# Allegro board com_v1_p3.brd
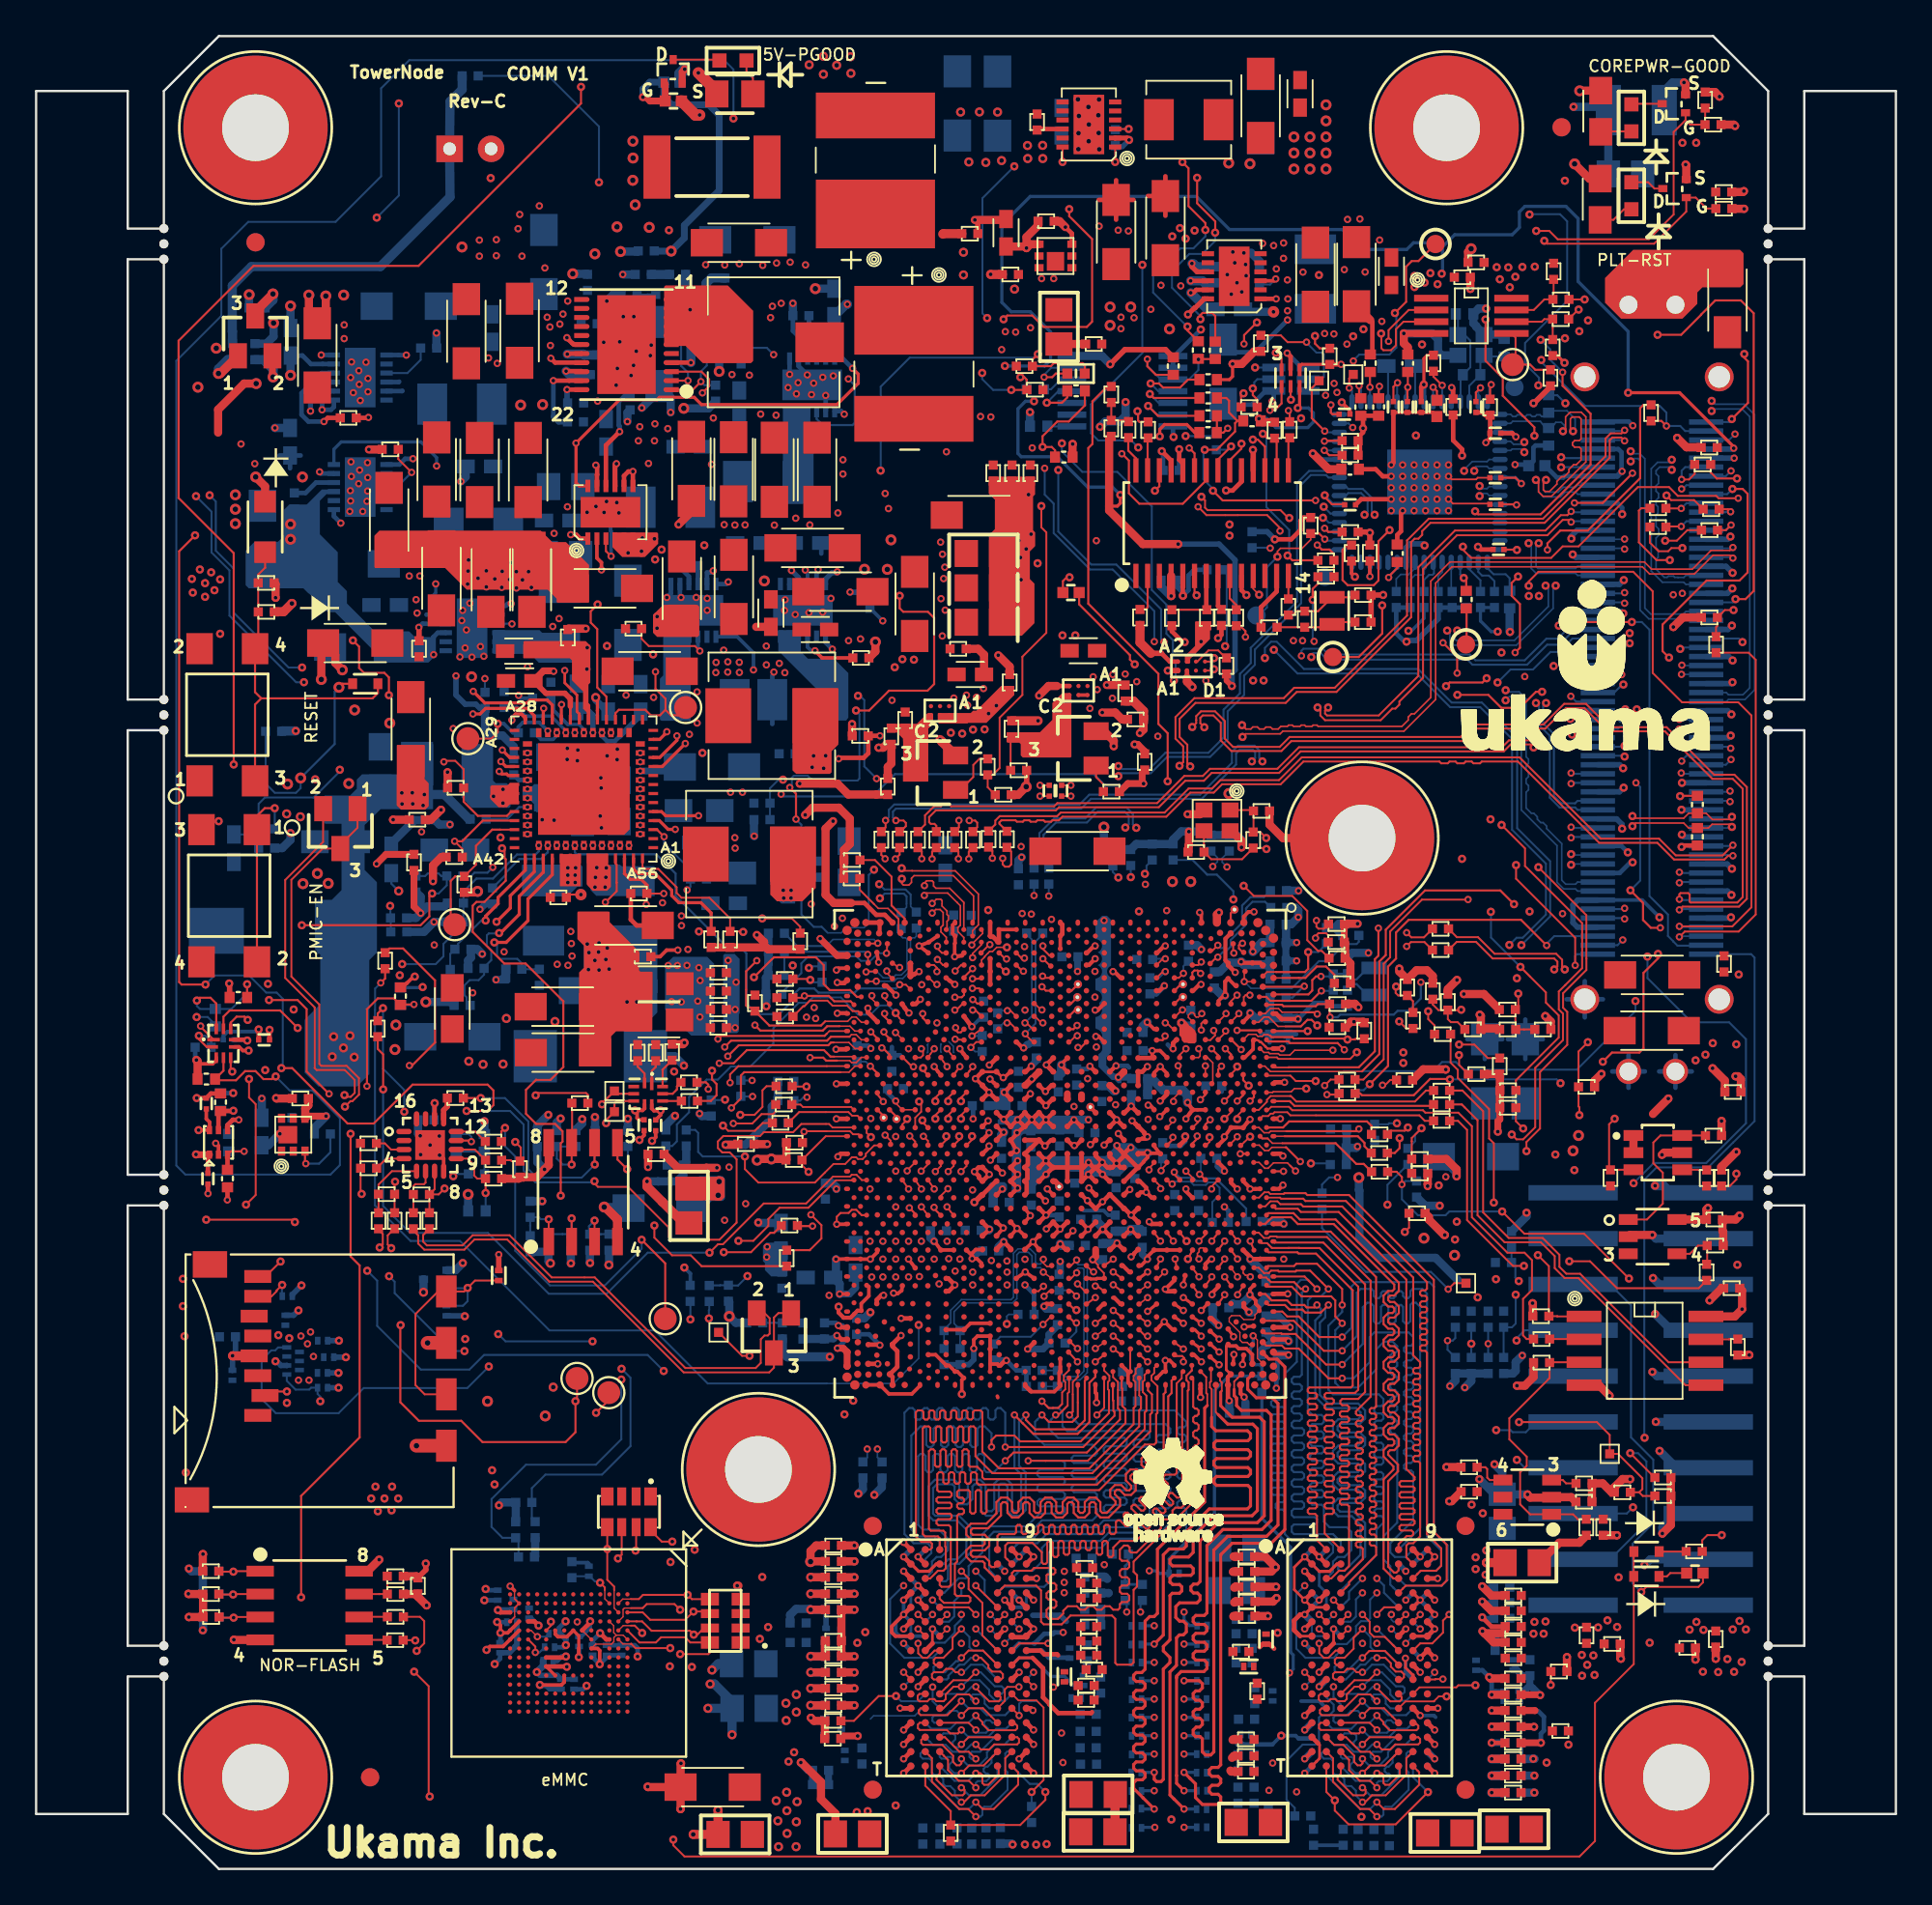
[diagram p0: board, top side]
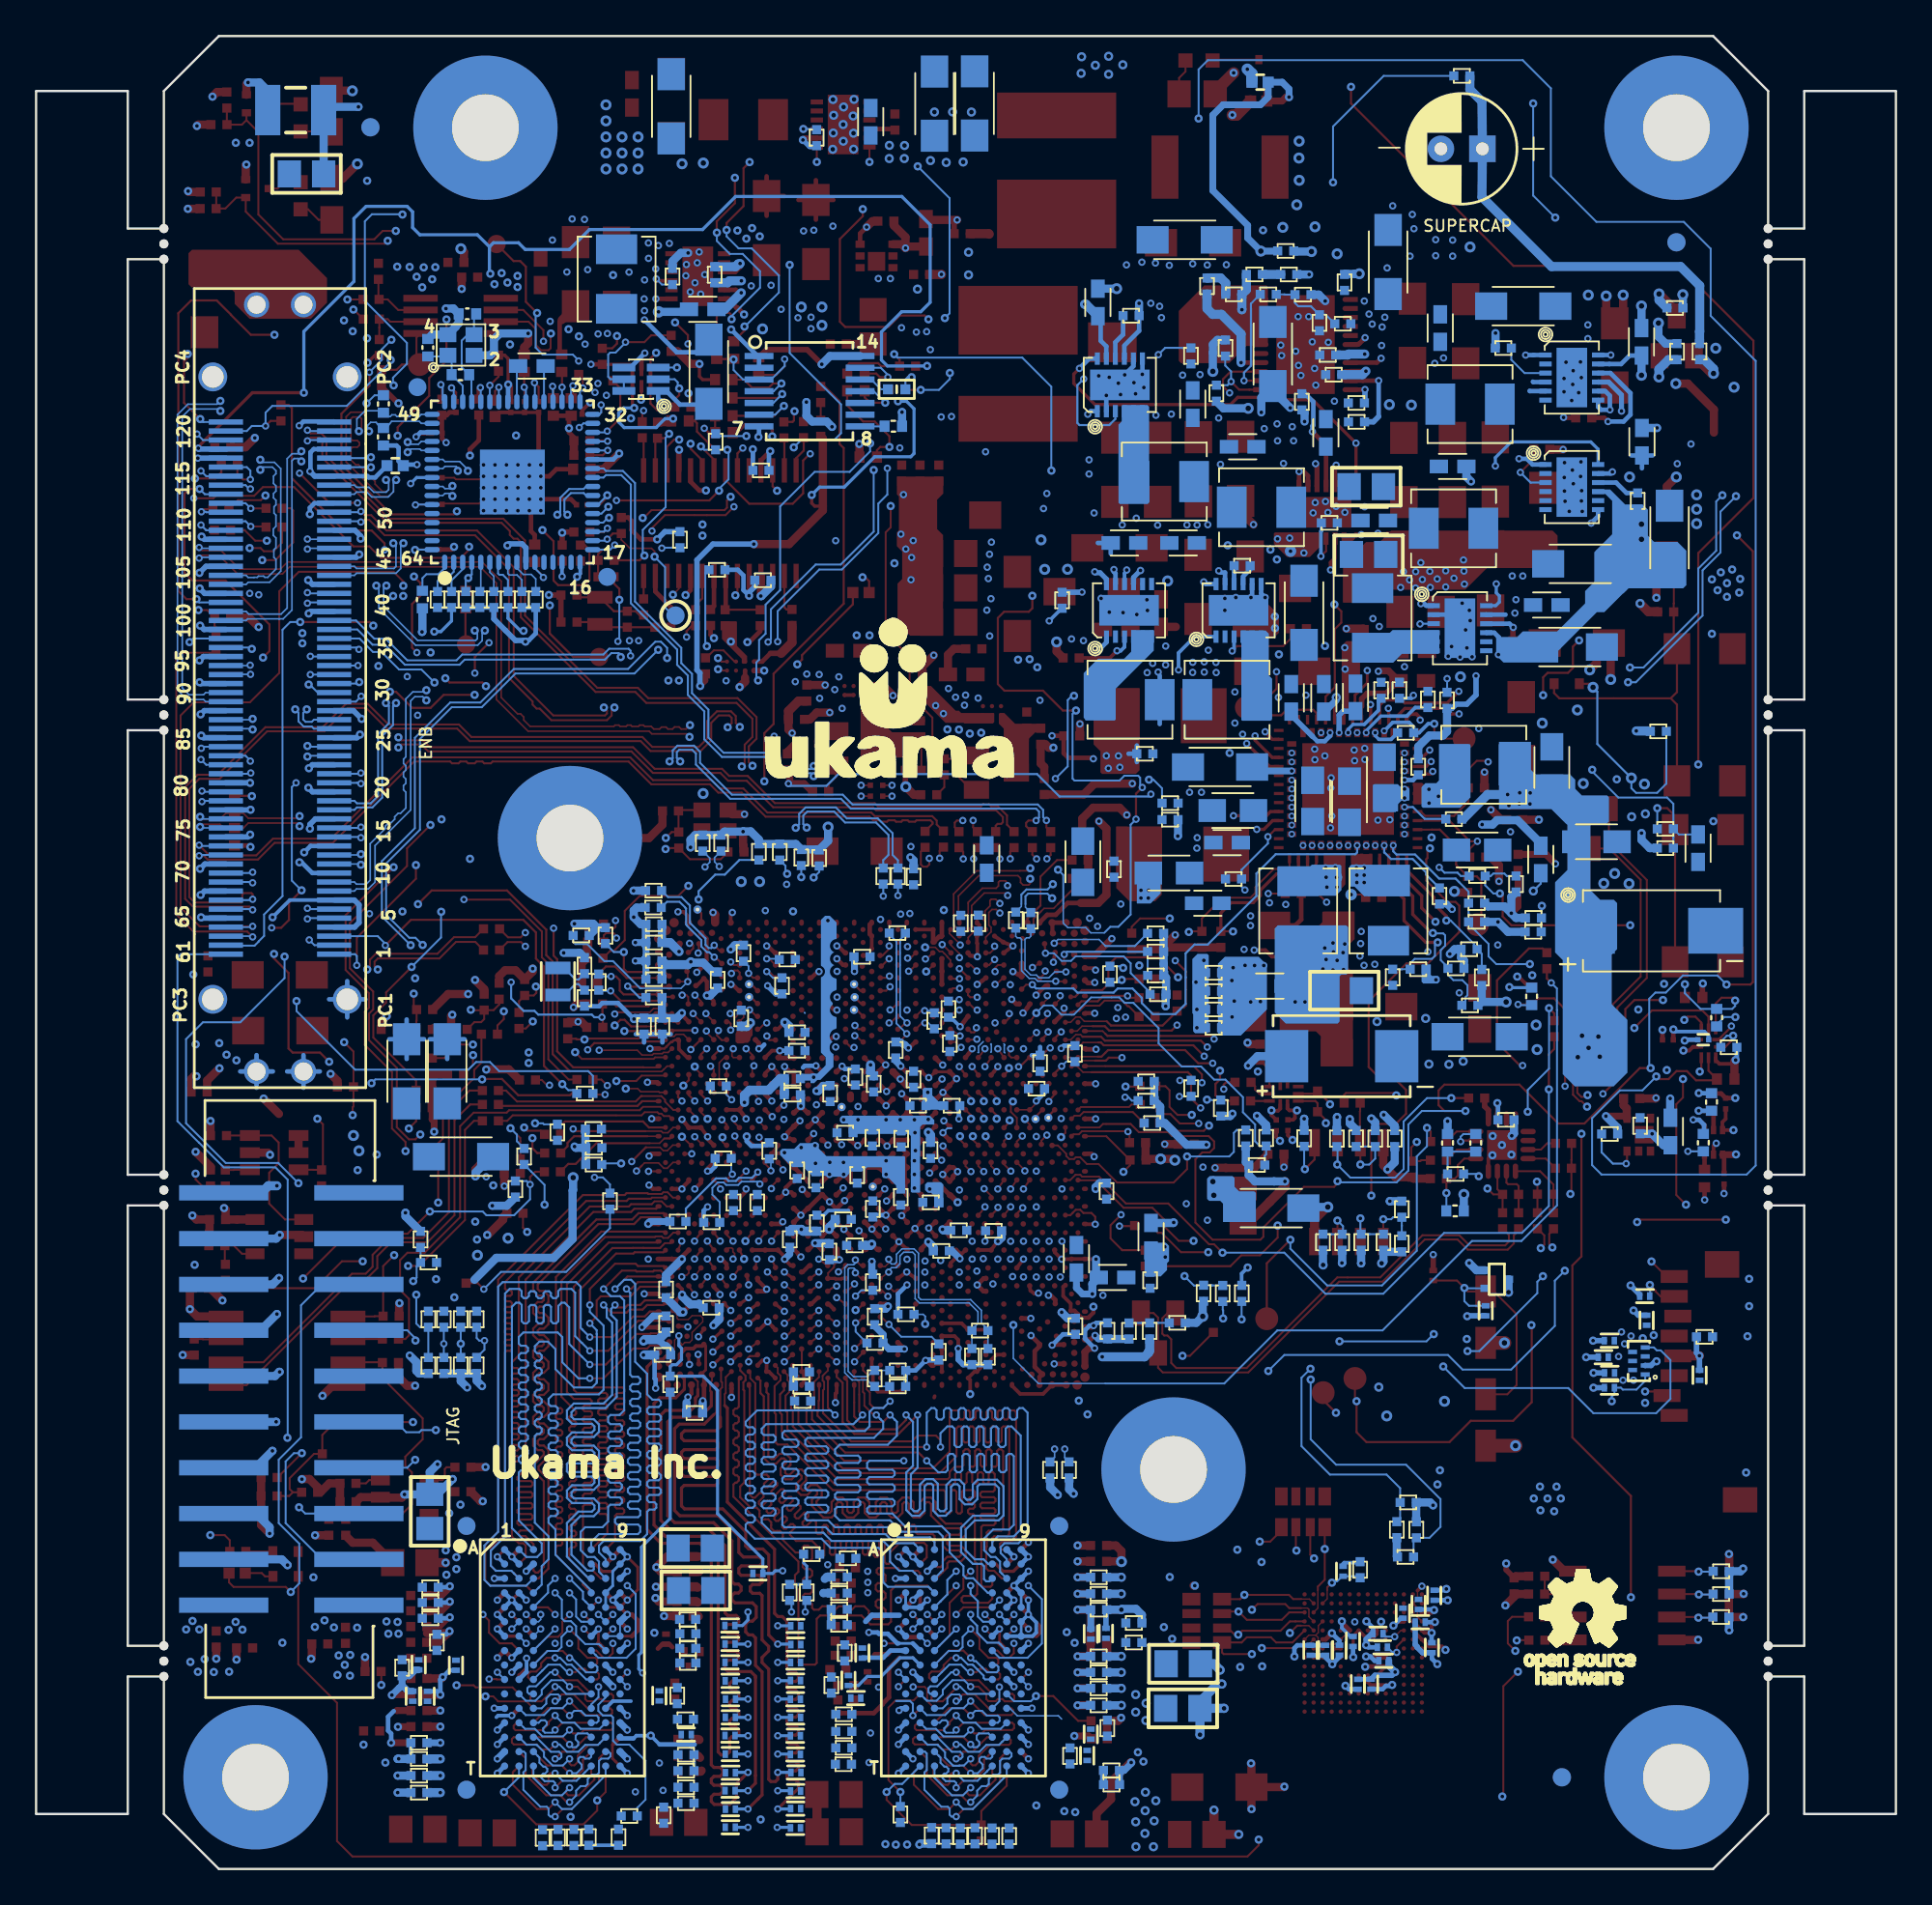
[diagram p1: board, bottom side, seen from below]

Outline 103.06 x 101.6 mm; copper layers: TOP, L2_GND1, L3_SIG1, L4_PWR1, L5_SIG2, L6_SIG3, L7_PWR2, L8_SIG4, L9_GND2, BOTTOM. Coordinates in mm from the lower left corner of the outline.
Outline path: 10.13,101.6 7.08,98.55 7.08,90.93 5.08,90.93 5.08,98.55 0,98.55 0,3.05 5.08,3.05 5.08,10.67 7.08,10.67 7.08,3.05 10.13,0 ; 10.13,101.6 92.93,101.6 ; 10.13,101.6 92.93,101.6 ; 10.13,0 92.93,0 ; 10.13,0 92.93,0 ; 92.93,0 95.98,3.05 95.98,10.67 97.98,10.67 97.98,3.05 103.06,3.05 103.06,98.55 97.98,98.55 97.98,90.93 95.98,90.93 95.98,98.55 92.93,101.6 ; 5.08,89.23 5.08,64.82 7.08,64.82 7.08,89.23 5.08,89.23 ; 5.08,63.12 5.08,38.48 7.08,38.48 7.08,63.12 5.08,63.12 ; 5.08,36.78 5.08,12.37 7.08,12.37 7.08,36.78 5.08,36.78 ; 95.98,89.23 97.98,89.23 97.98,64.82 95.98,64.82 95.98,89.23 ; 95.98,63.12 97.98,63.12 97.98,38.48 95.98,38.48 95.98,63.12 ; 95.98,36.78 97.98,36.78 97.98,12.37 95.98,12.37 95.98,36.78

## Design rules (mm)
net group DDR3_DRAM_PWROK: nets DDR3_DRAM_PWROK UNNAMED_127_IDTP9145R1P15_I1_DR
net group DDR3_MON1: nets DDR3_MON1N DDR3_MON1P
net group DDR3_MON2: nets DDR3_MON2N DDR3_MON2P
net group DDR3_REF: nets DDR3_REFN DDR3_REFP
net group DDR3_VREF: nets DDR3_VREF UNNAMED_3_RESN_I168_A
net group DDR_ADDR: nets M_A_A15 M_A_RST_N
net group DIFFPAIR0: nets PE_TN PE_TP
net group DP1: nets N20572057 N20572071
net group DP14: nets N20580018 N20580025
net group DP15: nets N27274411 N27274420
net group DP16: nets N20262523 N27274288
net group DP_HDMI_DATA0_D: nets HDMI_DATA0_DN HDMI_DATA0_DP
net group DP_HDMI_DATA1_D: nets HDMI_DATA1_DN HDMI_DATA1_DP
net group DP_HDMI_DATA2_D: nets HDMI_DATA2_DN HDMI_DATA2_DP
net group DP_USB2: nets USB_DN2 USB_DP2
net group FPGA_CFG_INIT_B_R: nets FPGA_CFG_INIT_B_R N27770387
net group FPGA_SOC_IO_4_1P8: nets FPGA_SOC_IO_4_1P8 LAN_LED0
net group FPGA_SOC_IO_5_1P8: nets FPGA_SOC_IO_5_1P8 N24949821
net group FPGA_SOC_IO_6_1P8: nets FPGA_SOC_IO_6_1P8 N24949837
net group H_HDMI_CLOCK: nets HDMI_CLK_DN HDMI_CLK_DP
net group I2C_MASTER_SEL_1P8: nets I2C_MASTER_SEL_1P8 N28074588
net group INVEN_EEPROM_WP: nets INVEN_EEPROM_WP N27319573
net group KSZ_MDI0: nets SOC_ETH_MDI0N SOC_ETH_MDI0P
net group KSZ_MDI1: nets SOC_ETH_MDI1N SOC_ETH_MDI1P
net group LAN_NC_SI_1: nets LAN_NC_SI_RXD0 LAN_NC_SI_RXD1
net group LAN_NC_SI_2: nets LAN_NC_SI_TXD0 LAN_NC_SI_TXD1
net group LAN_PCIE_CLKREQ1B: nets LAN_PCIE_CLKREQ1B N21429834
net group LAN_XTALIN: nets LAN_XTALIN LAN_XTALOUT
net group M_A_CK_DDR0: nets M_A_CK_DDR0_N M_A_CK_DDR0_P
net group MODULE_SAFEBOOT_N: nets MODULE_SAFEBOOT_N N27587553
net group N28098567: nets N28098567 N28098822
net group PCIE0_CLK: nets PCIE0_CLKN PCIE0_CLKP
net group PCIE0_RX: nets PCIE0_RXN PCIE0_RXP
net group PCIE0_TX: nets PCIE0_TXN PCIE0_TXP
net group PCIE1_CLK: nets PCIE1_CLKN PCIE1_CLKP
net group PCIE1_RX: nets PCIE1_RXN PCIE1_RXP
net group PCIE1_TXN: nets PCIE1_TXN UNNAMED_6_BYTISOCR1P1_I118_PC_2
net group PCIE1_TXP: nets PCIE1_TXP UNNAMED_6_BYTISOCR1P1_I118_PC_4
net group PCIE2_CLK: nets PCIE2_CLKN PCIE2_CLKP
net group PCIE2_RX: nets PCIE2_RXN PCIE2_RXP
net group PCIE2_TXN: nets PCIE2_TXN UNNAMED_6_BYTISOCR1P1_I118_PC_1
net group PCIE2_TXP: nets PCIE2_TXP UNNAMED_6_BYTISOCR1P1_I118_PC_3
net group PCIE3_CLK: nets PCIE3_CLKN PCIE3_CLKP
net group PCIE3_RX: nets PCIE3_RXN PCIE3_RXP
net group PCIE3_TX: nets PCIE3_TXN PCIE3_TXP
net group PCIE3_TXN: nets PCIE3_TXNC PCIE3_TXPC
net group POWER_RECYCLE_H: nets N27621807 POWER_RECYCLE_H
net group RJ45_LED_STATUS: nets N27770243 RJ45_LED_STATUS
net group SATA_RX0: nets SATA_RXN0 SATA_RXP0
net group SATA_RX1: nets SATA_RXN1 SATA_RXP1
net group SATA_TX0: nets SATA_TXN0 SATA_TXP0
net group SATA_TX1: nets SATA_TXN1 SATA_TXP1
net group SD1_CD_V: nets SD1_CD_V SOC_PCIE_CLKREQ4_B
net group SIO_SPI_CS#: nets N27493048 SIO_SPI_CS#
net group SIO_SPI_MISO: nets N27493054 SIO_SPI_MISO
net group SOC_I2C_SCL: nets SOC_I2C_SCL UNNAMED_7_BYTISOCR1P1_I121_SIOI
net group SOC_I2C_SDA: nets SOC_I2C_SDA UNNAMED_7_BYTISOCR1P1_I121_SI_1
net group SOC_SVID_ALERT_B: nets SOC_SVID_ALERT_B UNNAMED_25_BYTISOCR1P1_I90_SVID
net group SOC_SVID_CLK: nets SOC_SVID_CLK UNNAMED_25_BYTISOCR1P1_I90_SV_1
net group SOC_SVID_DATA: nets SOC_SVID_DATA UNNAMED_25_BYTISOCR1P1_I90_SV_2
net group SOC_THERMTRIP: nets N28177907 SOC_THERMTRIP
net group SUS_STAT_B: nets SUS_STAT_B SUS_STAT_B_R
net group TPM_ILB_SERIRQ: nets TPM_ILB_SERIRQ UNNAMED_81_RESN_I34_B
net group UNNAMED_5_BYTISOCR1P1_I176_DDIR: nets UNNAMED_5_BYTISOCR1P1_I176_DD_1 UNNAMED_5_BYTISOCR1P1_I176_DDIR
net group UNNAMED_5_BYTISOCR1P1_I176_RESE: nets UNNAMED_5_BYTISOCR1P1_I176_RE_1 UNNAMED_5_BYTISOCR1P1_I176_RESE
net group UNNAMED_6_BYTISOCR1P1_I118_PCIE: nets UNNAMED_6_BYTISOCR1P1_I118_PC_5 UNNAMED_6_BYTISOCR1P1_I118_PCIE
net group UNNAMED_6_BYTISOCR1P1_I118_SATA: nets UNNAMED_6_BYTISOCR1P1_I118_SA_1 UNNAMED_6_BYTISOCR1P1_I118_SATA
net group UNNAMED_25_BYTISOCR1P1_I90_ICLK: nets UNNAMED_25_BYTISOCR1P1_I90_IC_1 UNNAMED_25_BYTISOCR1P1_I90_ICLK
net group UNNAMED_25_BYTISOCR1P1_I90_IL_1: nets UNNAMED_25_BYTISOCR1P1_I90_IL_1 UNNAMED_25_BYTISOCR1P1_I90_IL_2
net group UNNAMED_119_CAPN_I37_A: nets UNNAMED_119_CAPN_I37_A UNNAMED_119_RESN_I34_B
net group USB3_P0_ICLK_D: nets USB3_P0_ICLK_DN USB3_P0_ICLK_DP
net group USB3_P1_ICLK_D: nets USB3_P1_ICLK_DN USB3_P1_ICLK_DP
net group USB3_RX0: nets USB3_RX0_N USB3_RX0_P
net group USB3_TX0: nets USB3_TX0_N USB3_TX0_P
net group USB_D0: nets USB_DN0 USB_DP0
net group USB_D1: nets USB_DN1 USB_DP1
net group USB_REFCLK: nets USB_REFCLKN USB_REFCLKP
net group V1P0S_EN: nets UNNAMED_263_NPN_I115_B V1P0S_EN
net group V1P0SX_EN: nets UNNAMED_263_NPN_I95_B V1P0SX_EN
net group WDI: nets N27521547 WDI
net group BAT_D: nets BAT_D N27610620 VBAK
net group DDR_DATA_MTG1_U24: nets M_A_DM2 M_A_DQ16 M_A_DQ17 M_A_DQ18 M_A_DQ19 M_A_DQ20 M_A_DQ21 M_A_DQ22 M_A_DQ23 M_A_DQS_N2 M_A_DQS_P2
net group DDR_DATA_MTG1_U27: nets M_A_DM0 M_A_DQ0 M_A_DQ1 M_A_DQ2 M_A_DQ3 M_A_DQ4 M_A_DQ5 M_A_DQ6 M_A_DQ7 M_A_DQS_N0 M_A_DQS_P0
net group DDR_DATA_MTG1_U30: nets M_A_DM6 M_A_DQ48 M_A_DQ49 M_A_DQ50 M_A_DQ51 M_A_DQ52 M_A_DQ53 M_A_DQ54 M_A_DQ55 M_A_DQS_N6 M_A_DQS_P6
net group DDR_DATA_MTG1_U37: nets M_A_DM4 M_A_DQ32 M_A_DQ33 M_A_DQ34 M_A_DQ35 M_A_DQ36 M_A_DQ37 M_A_DQ38 M_A_DQ39 M_A_DQS_N4 M_A_DQS_P4
net group DDR_DATA_MTG2_U24: nets M_A_DM3 M_A_DQ24 M_A_DQ25 M_A_DQ26 M_A_DQ27 M_A_DQ28 M_A_DQ29 M_A_DQ30 M_A_DQ31 M_A_DQS_N3 M_A_DQS_P3
net group DDR_DATA_MTG2_U27: nets M_A_DM1 M_A_DQ8 M_A_DQ9 M_A_DQ10 M_A_DQ11 M_A_DQ12 M_A_DQ13 M_A_DQ14 M_A_DQ15 M_A_DQS_N1 M_A_DQS_P1
net group DDR_DATA_MTG2_U30: nets M_A_DM7 M_A_DQ56 M_A_DQ57 M_A_DQ58 M_A_DQ59 M_A_DQ60 M_A_DQ61 M_A_DQ62 M_A_DQ63 M_A_DQS_N7 M_A_DQS_P7
net group DDR_DATA_MTG2_U37: nets M_A_DM5 M_A_DQ40 M_A_DQ41 M_A_DQ42 M_A_DQ43 M_A_DQ44 M_A_DQ45 M_A_DQ46 M_A_DQ47 M_A_DQS_N5 M_A_DQS_P5
net group EMMC  INTERFACE: nets MMC_CMD MMC_D0 MMC_D1 MMC_D2 MMC_D3 MMC_D4 MMC_D5 MMC_D6 MMC_D7
net group ETH_RESET: nets ETH_RESET FPGA_SOC_IO_2_1P8 PLTRST_3P3_N
net group MMC_RST: nets MMC_RST N27338459 SOC_PLTRST_N
net group PWR: nets PVIN_CBYP_V1P8_A PVIN_CBYP_V3P3_A PVIN_CBYP_V3P3_A_2 PVIN_CBYP_VCC1 PVIN_CBYP_VCC2 PVIN_CBYP_VDDQ1 PVIN_CBYP_VNN1 PVIN_CBYP_VNN2 PVIN_CBYP_VNN3 V1P2_S V3P3_A_DIF V3P3_A_DIO V3P3S_EN V5_A_PGOOD VCC_DIF VCC_DIO VCCCOREE1VIDSIOGT_1P03_OBS_TP VCCRAMCPU0SI1GT_1P03_OBS_TP VDDQ_DIF VDDQ_DIO VNN_DIF VNN_DIO VUSBPHY
net group SDCARD INTERFACE: nets SD1_CMD_V SD1_DATA1_V SD1_DATA2_V SD1_DATA3_V
net group SOC_SPI: nets SOC_SPI_CLK SOC_SPI_MISO SOC_SPI_MOSI
net group UNNAMED_119_CAPN_I20_A: nets UNNAMED_119_CAPN_I20_A UNNAMED_119_CAPN_I22_A UNNAMED_119_CAPN_I22_B UNNAMED_119_CHOKE_I17_INA
net group WAKE_LAN_N: nets PE_WAKE_N UNNAMED_25_BYTISOCR1P1_I90_GP_1 WAKE_LAN_N

## Placement (name value [footprint] x y rotation side)
C1A2  1UF  [SMC0402A]  17.74 80.44 270 top
C1A3  10UF  [SMC1206]  15.58 82.12 180 top
C1A4  22UF  [SMC1206]  23.84 83.46 180 top
C1A5  22UF  [SMC1206]  24.58 79.33 0 top
C1B1  47UF  [SMC1206]  22.46 73.32 0 top
C1B2  10UF  [SMC0603]  18.58 70.06 270 bottom
C1B3  1UF  [SMC0402A]  21.22 67.2 180 top
C1B4  100UF  [SMC1206]  20.76 61.4 180 top
C1B7  1UF  [SMC0402A]  21.57 58.16 270 top
C1D2  10UF  [SMC0402A]  15.09 42.71 270 top
C1L11  1UF  [SMC0402A]  83.05 46.53 90 top
C1N3  0.1UF  [SMC0402A]  94.41 32.19 270 top
C1N7  0.1UF  [SMC0402A]  93.54 49.72 180 top
C1N8  0.1UF  [SMC0402A]  93.16 78.79 270 top
C1N9  0.1UF  [SMC0402A]  86.89 12.47 90 top
C1N10  0.1UF  [SMC0402A]  91.95 12.25 270 top
C2A1  0.1UF  [SMC0402A]  80.24 89.06 270 top
C2A3  0.1UF  [SMC0402A]  79.48 88.23 270 top
C2A9  330UF  [SMC7260_80TALL]  46.51 91.74 180 top
C2A10  10UF  [SMC0603]  53.75 89.94 180 top
C2A11  0.1UF  [SMC0402A]  54.43 88.39 270 top
C2A12  0.1UF  [SMC0402A]  51.3 90.65 90 top
C2A13  330UF  [SMC7260_80TALL]  48.64 85.85 0 top
C2A14  22UF  [SMC1206]  26.79 83.49 180 top
C2A15  22UF  [SMC1206]  27.26 79.33 0 top
C2A16  0.1UF  [SMC0402A]  53.04 76.93 180 top
C2A17  0.1UF  [SMC0402A]  54.08 76.93 180 top
C2B1  100UF  [SMC1206]  50.46 75.04 90 top
C2B2  47UF  [SMC1206]  36.31 75.83 180 top
C2B3  47UF  [SMC1206]  38.65 75.81 180 top
C2B4  47UF  [SMC1206]  40.91 75.78 180 top
C2B5  47UF  [SMC1206]  43.28 75.78 180 top
C2B6  47UF  [SMC1206]  27.47 73.24 0 top
C2B7  10UF  [C0805]  52.5 72.92 180 top
C2B8  10UF  [SMC1206]  41.25 73.23 90 top
C2B9  10UF  [SMC1206]  62.58 89.18 180 top
C2B10  10UF  [C0805]  52.5 71.01 180 top
C2B11  1UF  [SMC0402A]  35.78 72.24 270 bottom
C2B12  1UF  [SMC0402A]  46.2 70.77 180 bottom
C2B13  47UF  [SMC1206]  29.74 70.99 90 top
C2B14  10UF  [SMC0603]  40.26 73.5 90 bottom
C2B15  10UF  [SMC0603]  41.99 73.5 270 bottom
C2B16  10UF  [C0805]  52.5 69.11 180 top
C2B17  2.2UF  [SMC0603]  27.51 67.51 270 top
C2B18  0.1UF  [SMC0402A]  51.54 67.63 270 top
C2B19  47UF  [SMC1206]  38.67 69.29 180 top
C2B20  47UF  [SMC1206]  48.69 68.35 180 top
C2B21  22UF  [SMC0603]  52.53 66.21 270 top
C2B22  10UF  [SMC0603]  27.56 65.86 270 top
C2B23  10UF  [SMC0402A]  53.95 65.32 180 top
C2B24  0.01UF  [SMC0402A]  48.16 63.24 180 top
C2B25  0.01UF  [SMC0402A]  54.05 62.76 180 top
C2B29  0.1UF  [SMC0402A]  48.87 56.61 180 top
C2B30  0.1UF  [SMC0402A]  49.89 56.61 180 top
C2B31  0.1UF  [SMC0402A]  50.9 56.61 180 top
C2B32  0.1UF  [SMC0402A]  51.92 56.61 180 top
C2B34  100UF  [SMC1206]  30.89 52.3 90 top
C2B35  1UF  [SMC0402A]  38.25 49.68 270 top
C2B36  22UF  [SMC0805]  33.39 49.07 90 top
C2B37  1UF  [SMC0402A]  38.25 48.66 270 top
C2B39  10UF  [SMC1206]  51.05 96.09 0 bottom
C2B40  47UF  [SMC1206]  21.29 46.13 270 bottom
C2B41  100UF  [SMC1206]  19.56 76.56 0 top
C2B42  100UF  [SMC1206]  30.96 47.8 270 top
C2B43  100UF  [SMC1206]  30.98 45.25 270 top
C2B45  100UF  [SMC1206]  25.2 69.69 180 top
C2B46  100UF  [SMC1206]  18.87 86.63 270 bottom
C2B47  100UF  [SMC1206]  80.28 42.44 0 bottom
C2B48  100UF  [SMC1206]  82.52 42.44 0 bottom
C2B49  47UF  [SMC1206]  32.22 66.39 90 top
C2B50  100UF  [SMC1206]  81.29 39.48 90 bottom
C2B51  10UF  [SMC1206]  42.79 70.8 90 top
C2B52  10UF  [SMC1206]  32.8 71.41 180 bottom
C2B55  10UF  [SMC1206]  93.73 85.18 180 top
C2B56  10UF  [SMC1206]  91.31 46.47 270 top
C2C1  1UF  [SMC0402A]  38.25 47.64 270 top
C2C2  22UF  [SMC0805]  33.37 47.06 90 top
C2C3  1UF  [SMC0402A]  38.25 46.63 270 top
C2C7  1UF  [SMC0402A]  34.8 39.62 270 top
C2C8  330UF  [CAPMP7343X190N]  30.71 45.05 180 bottom
C2C12  1UF  [SMC0402A]  39.78 40.18 270 top
C2L14  10UF  [SMC1206]  53.28 96.08 0 bottom
C2L15  1UF  [SMC0402A]  65.46 88.82 180 bottom
C2L16  10UF  [SMC0603]  66.88 86.46 90 bottom
C2M9  0.1UF  [C0201]  56.83 59.77 90 top
C2M10  1UF  [C0805]  88.08 93.96 0 bottom
C2M11  10PF  [C0402]  81.35 84.33 270 bottom
C2M12  100UF  [SMC1206]  59.48 56.42 270 top
C2M13  1UF  [SMC0402A]  68.38 52.37 270 bottom
C2M14  1UF  [SMC0402A]  68.38 51.35 270 bottom
C2M15  0.01UF  [C0402]  72.81 77.59 0 top
C2M16  18PF  [SMC0402A]  72.67 50.51 180 bottom
C2M17  1UF  [SMC0402A]  68.38 50.34 270 bottom
C2M18  1UF  [SMC0402A]  65.29 49.72 180 bottom
C2M19  0.01UF  [SMC0402A]  68.38 49.32 270 bottom
C2M20  0.1UF  [SMC0402A]  69.27 48.31 90 bottom
C2M21  0.039UF  [SMC0603]  74.82 83.31 270 bottom
C2M22  0.1UF  [C0201]  76.76 81.04 270 top
C2M23  10PF  [C0402]  79.16 86.2 180 bottom
C2M24  0.1UF  [C0201]  56.14 59.77 90 top
C2N1  18PF  [SMC0402A]  72.67 47.82 0 bottom
C2N2  1UF  [SMC0402A]  56.85 50.56 270 bottom
C2N3  1UF  [SMC0402A]  60.45 46.37 270 bottom
C2N4  1UF  [SMC0402A]  68.35 46.27 0 bottom
C2N5  0.1UF  [SMC0402A]  69.37 46.27 0 bottom
C2N6  1UF  [SMC0402A]  60.45 45.36 270 bottom
C2N7  1UF  [SMC0402A]  55.42 44.95 0 bottom
C2N8  1UF  [SMC0402A]  57.66 44.34 180 bottom
C2N9  1UF  [SMC0402A]  61.6 43.81 90 bottom
C2N10  1UF  [SMC0402A]  59.06 43.43 180 bottom
C2N11  1UF  [SMC0402A]  56.64 43.07 0 bottom
C2N12  1UF  [SMC0402A]  60.71 42.92 270 bottom
C2N13  1UF  [SMC0402A]  71.73 41.02 270 bottom
C2N14  0.1UF  [SMC0402A]  56.72 40.96 180 bottom
C2N15  0.1UF  [SMC0402A]  57.79 40.81 270 bottom
C2N16  1UF  [SMC0402A]  72.6 39.97 90 bottom
C2N17  4.7UF  [SMC0402A]  60.89 39.16 180 bottom
C2N18  2.2UF  [SMC0402A]  57.56 38.91 180 bottom
C2N19  4.7UF  [SMC0402A]  59.84 38.65 180 bottom
C2N22  1UF  [SMC0402A]  64.42 36.49 0 bottom
C2N23  1UF  [SMC0402A]  63.1 36.49 0 bottom
C2N24  0.47UF  [SMC0402A]  56.69 36.14 0 bottom
C2N25  1UF  [SMC0402A]  61.29 35.35 180 bottom
C2N26  1UF  [SMC0402A]  58.78 36.01 90 bottom
C2N27  2.2UF  [SMC0402A]  57.25 34.56 270 bottom
C2N28  2.2UF  [SMC0402A]  59.1 34.66 180 bottom
C2N31  0.1UF  [SMC0402A]  56.69 32.07 0 bottom
C2N32  0.1UF  [SMC0402A]  68.15 31.67 0 bottom
C2N33  0.1UF  [SMC0402A]  65.2 31.11 270 bottom
C2N34  0.1UF  [SMC0402A]  56.59 31.06 180 bottom
C2N36  2.2UF  [SMC0402A]  68.15 29.76 0 bottom
C2N37  0.1UF  [SMC0402A]  67.9 28.49 270 bottom
C2N38  1UF  [SMC0402A]  60.2 27.55 270 bottom
C2N39  1UF  [SMC0402A]  66.12 25.27 270 bottom
C2N40  1UF  [SMC0402A]  60.2 26.75 270 bottom
C2N41  1UF  [SMC0402A]  60.14 25.94 270 bottom
C2N43  1UF  [SMC0402A]  59.79 35.35 0 bottom
C2N44  10UF  [SMC0603]  36.96 78.84 90 bottom
C2N45  10UF  [SMC0603]  38.97 80.44 0 bottom
C2N46  10UF  [SMC0603]  25.25 84.65 0 bottom
C2N47  10UF  [SMC0603]  25.33 77.74 90 bottom
C2P3  330UF  [SMC7343_75TALL]  13.54 52 90 bottom
C3A10  10UF  [SMC0603]  75.1 87.8 180 top
C3A12  22UF  [C0805]  56.68 85.48 270 top
C3A13  47UF  [SMC1206]  70.9 86.6 180 top
C3A14  100UF  [SMC1206]  73.17 86.62 180 top
C3A22  0.1UF  [SMC0402A]  55.09 76.93 180 top
C3A23  18PF  [SMC0402A]  73.08 69.12 90 top
C3A24  0.1UF  [SMC0402A]  63.23 71.44 90 bottom
C3A25  18PF  [SMC0402A]  73.09 70.61 90 top
C3A26  0.1UF  [SMC0402A]  63.34 77.52 90 bottom
C3A27  47UF  [SMC1206]  65.78 84.77 180 bottom
C3A28  47UF  [SMC1206]  87.78 49.56 90 top
C3B12  22UF  [SMC0603]  58.8 67.53 270 top
C3B14  0.1UF  [C0201]  81.04 73.14 180 top
C3B15  0.1UF  [SMC0402A]  60.35 65.63 0 top
C3B16  0.01UF  [C0402]  76.01 83.47 90 top
C3B17  10UF  [SMC0402A]  60.48 63.72 90 top
C3B18  0.1UF  [C0201]  80.86 79.59 180 top
C3B20  0.1UF  [C0201]  80.86 75.64 180 top
C3B21  0.01UF  [C0402]  75.43 72.93 90 top
C3B22  10PF  [SMC0402A]  67.46 58.65 90 top
C3B23  0.1UF  [C0201]  80.86 77.12 180 top
C3B25  0.1UF  [C0201]  75.21 81.04 270 top
C3B26  0.1UF  [C0201]  75.99 81.04 270 top
C3B32  10PF  [SMC0402A]  64.72 56.37 270 top
C3B33  0.1UF  [SMC0402A]  71.51 51.29 0 bottom
C3B34  0.1UF  [C0201]  72.5 80.64 0 top
C3B35  0.1UF  [C0201]  79.79 81.04 270 top
C3B36  0.1UF  [C0201]  72.81 75.62 0 top
C3C1  0.1UF  [SMC0402A]  71.66 46.65 90 top
C3L4  10UF  [SMC1206]  41.19 90.31 90 bottom
C3L5  10UF  [SMC0603]  44.22 87.6 180 bottom
C3L6  1UF  [SMC0402A]  41.94 86.1 270 bottom
C3L7  12PF  [SMC0402A]  34.09 88.39 90 bottom
C3L9  0.1UF  [SMC0402A]  38.17 87.3 0 bottom
C3L10  1000PF  [SMC0402A]  33.3 87.27 90 bottom
C3L12  1UF  [SMC0402A]  31.04 83.92 270 bottom
C3L14  10UF  [SMC1206]  34.53 82.2 0 bottom
C3L15  1UF  [SMC0402A]  32.92 80.88 0 bottom
C3L17  10UF  [SMC0603]  31.59 80.37 180 bottom
C3L18  10UF  [SMC1206]  22.2 79.35 0 top
C3L19  10UF  [SMC1206]  40.72 90.15 270 top
C3L20  10UF  [SMC1206]  28.14 87.3 0 bottom
C3L21  10UF  [SMC1206]  19.46 67.96 270 top
C3L22  10UF  [SMC1206]  12.54 72.01 0 bottom
C3L23  10UF  [SMC1206]  59.85 88.96 180 top
C3M1  47UF  [C0805]  29.35 76.63 0 bottom
C3M3  10UF  [SMC0603]  28.15 74.75 270 bottom
C3M5  47UF  [C0805]  29.22 72.87 0 bottom
C3M6  1UF  [SMC0402A]  27.51 64.89 0 bottom
C3M7  1UF  [SMC0402A]  28.53 64.89 0 bottom
C3M8  2.2UF  [SMC0603]  33.5 64.15 0 bottom
C3M9  2.2UF  [SMC0603]  29.95 64.18 0 bottom
C3M10  1UF  [SMC0402A]  25.94 64.38 0 bottom
C3M11  1UF  [SMC0402A]  42.06 61.82 90 bottom
C3M12  10UF  [SMC0603]  40.72 68.85 180 top
C3M13  10UF  [SMC0603]  42.42 68.7 90 top
C3M14  22UF  [SMC0805]  37.89 58.67 90 bottom
C3M15  22UF  [SMC0805]  30.28 58.01 0 bottom
C3M17  10UF  [SMC0603]  31.7 64.15 0 bottom
C3M18  22UF  [SMC0805]  32.32 60.35 180 bottom
C3M19  100UF  [SMC1206]  35.67 61.08 270 bottom
C3M20  22UF  [SMC0805]  28.35 61.63 180 bottom
C3M21  22UF  [SMC0805]  22.07 56.48 270 bottom
C3M22  10UF  [SMC0805]  45.05 56.97 180 bottom
C3M23  1UF  [SMC0402A]  43.33 55.86 180 bottom
C3M24  10UF  [SMC0603]  37.82 56.89 90 bottom
C3M25  22UF  [SMC0603]  50.38 56.74 180 bottom
C3M26  10UF  [SMC0603]  37.37 53.53 270 bottom
C3M27  47UF  [SMC0805]  41.43 55.21 90 bottom
C3M28  1UF  [SMC0402A]  54.43 54.55 0 bottom
C3M29  0.1UF  [SMC0402A]  51.82 51.97 0 bottom
C3M30  1UF  [SMC0402A]  38.25 49.68 90 bottom
C3M31  0.01UF  [SMC0402A]  50.85 51.98 0 bottom
C3M32  10UF  [SMC0603]  35.46 48.94 90 bottom
C3M33  1UF  [SMC0402A]  38.25 48.66 90 bottom
C3M179  47UF  [C0805]  36.18 36.76 270 top
C3M180  100UF  [SMC1206]  36.39 36.63 90 bottom
C3M181  22UF  [SMC0805]  23.06 48.84 0 top
C3N1  1UF  [SMC0402A]  38.25 47.64 90 bottom
C3N2  1UF  [SMC0402A]  52.5 47.21 0 bottom
C3N3  22UF  [C0805]  30.56 48.68 0 bottom
C3N4  1UF  [SMC0402A]  38.25 46.63 90 bottom
C3N6  1UF  [SMC0402A]  54.43 44.22 180 bottom
C3N7  1UF  [SMC0402A]  47.42 44.22 0 bottom
C3N8  1UF  [SMC0402A]  41.99 43.66 90 bottom
C3N9  1UF  [SMC0402A]  53.75 42.31 270 bottom
C3N11  1UF  [SMC0402A]  52.77 42.31 90 bottom
C3N12  1UF  [SMC0402A]  41.66 41.35 90 bottom